# Altium PCB PCB Board.PcbDoc
Units mm, origin at the board's own origin, x right, y up, seen from the top; angles counter-clockwise.
Board outline 87.5 x 46.5 mm, 2 copper layers (Top Layer, Bottom Layer); 24 components, 34 nets, 116 pads, 0 vias.
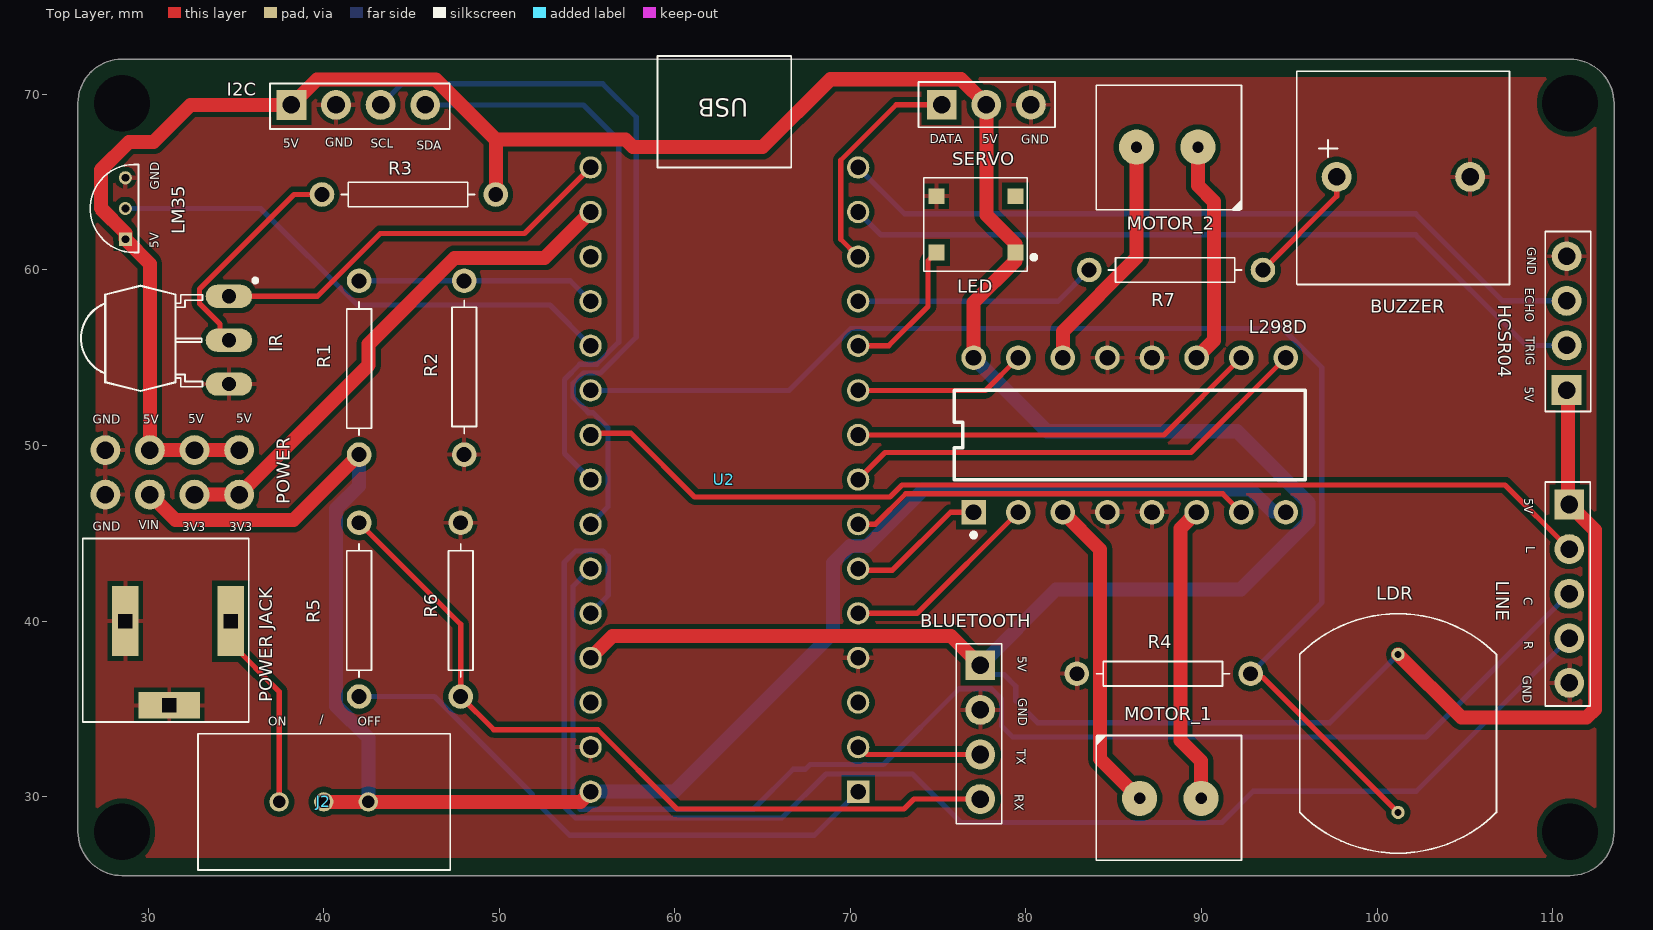
[diagram p0: Top Layer view]
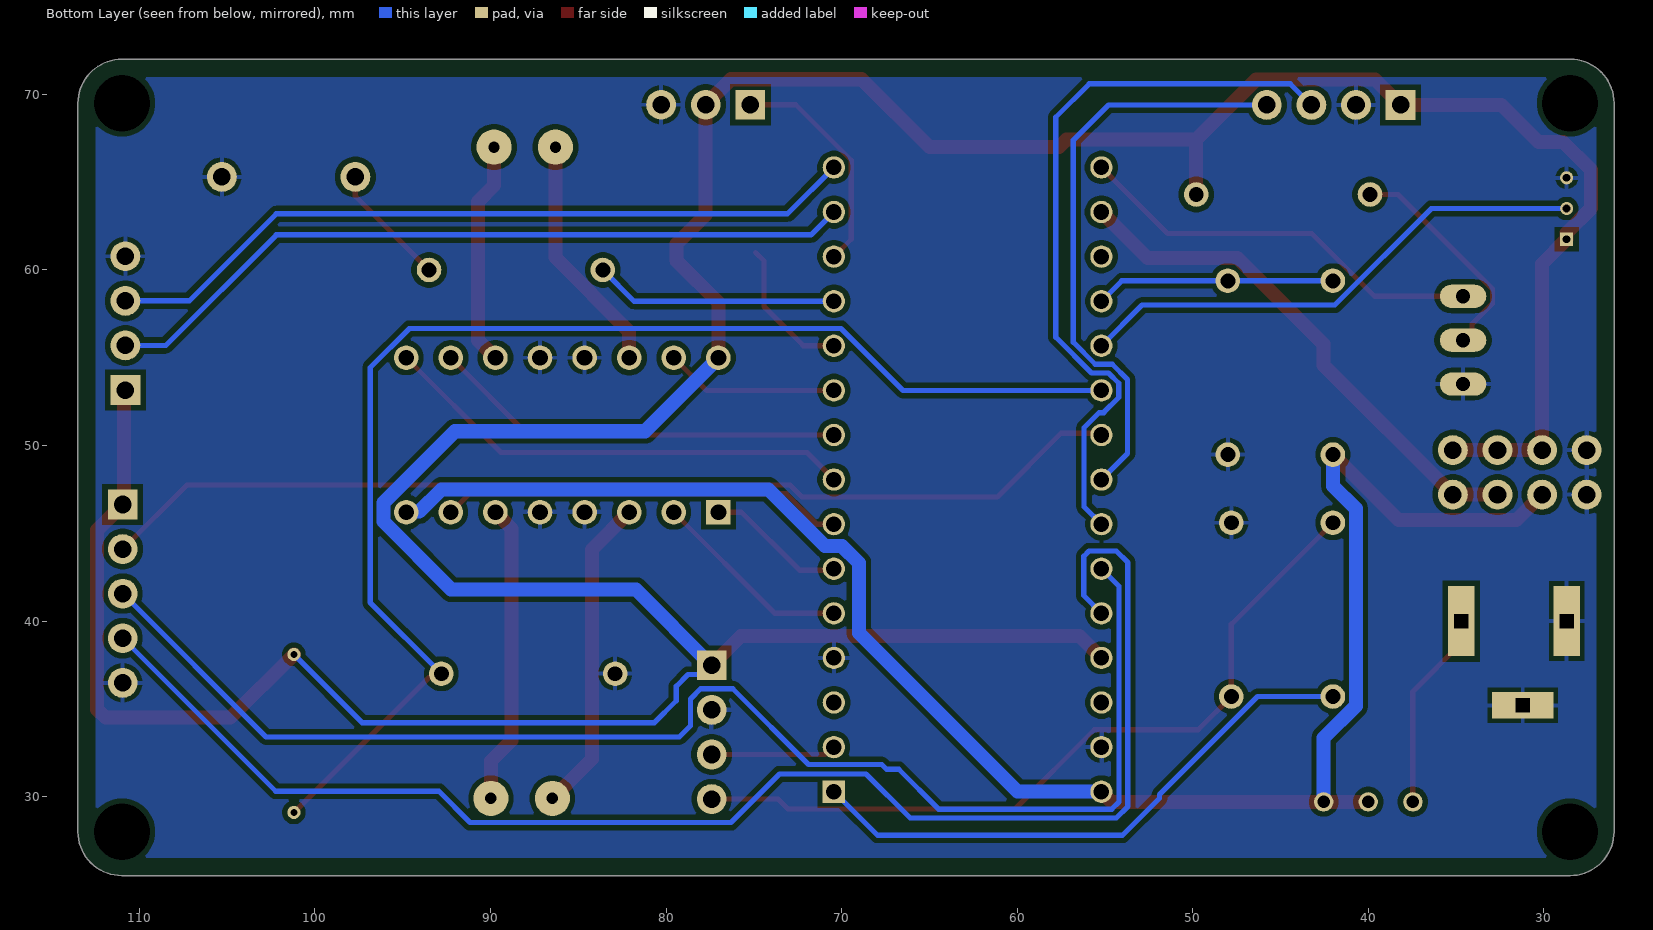
[diagram p1: Bottom Layer view, seen from below]
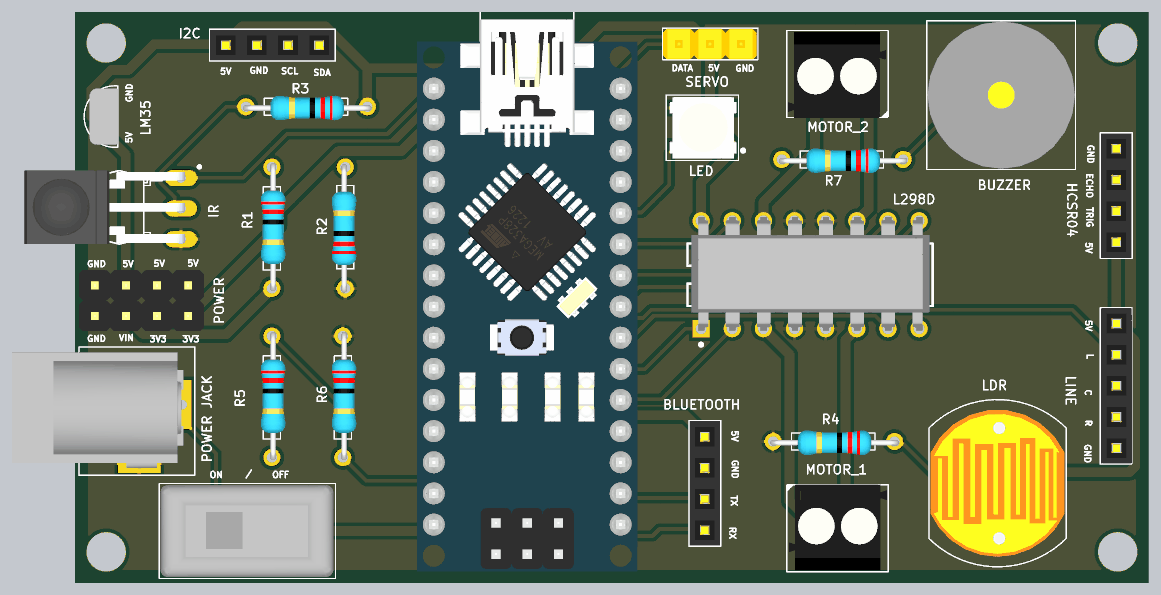
[diagram p2: 3D render of the assembled board from above, using the file's embedded part models]

## Layer stack, top to bottom
Top Solder: solder mask 0.0102, Solder Resist, Dk 3.5
Top Layer: signal copper 0.0356
Dielectric 1: dielectric 0.32, FR-4, Dk 4.8
Bottom Layer: signal copper 0.0356
Bottom Solder: solder mask 0.0102, Solder Resist, Dk 3.5

## Board outline
26,28 ccw(c28.5,28) 28.5,25.5 35,25.5 111,25.5 ccw(c111,28) 113.5,28 113.5,69.5 ccw(c111,69.5) 111,72 35,72 28.5,72 ccw(c28.5,69.5) 26,69.5

## Design rules (kind name [scope] priority, off if disabled: settings)
AcuteAngle [All] p1: minimum=6.00000000000000E+0001 checktracksonly=TRUE
AssemblyTestPointUsage [(not InNetClass('NOTESTPOINTS'))] p1: allowmultiple=TRUE
AssemblyTestPointUsage AssemblyTestPointUsageN [InNetClass('NOTESTPOINTS')] p2: valid=2 allowmultiple=TRUE
AssemblyTestpoint [All] p1: testpointundercomponent=TRUE minsize=0.8 maxsize=2 preferedsize=1 minholesize=0 maxholesize=0.35 preferedholesize=0 testpointgrid=1.27 usegrid=FALSE gridoriginx=87.5 gridoriginy=62.5 gridtolerance=0 allowsidetop=TRUE minspacing=2.54 // Zollner
BoardOutlineClearance BoardCopperOutlineClearance [(OnLayer('Top Layer') OR OnLayer('Bottom Layer') )] p1: gap=0.5 ignorepadtopadclearanceinfootprint=FALSE except(1: Poly-OutlineEdge Region-OutlineEdge; 1.5: SMDPad-OutlineEdge THPad-OutlineEdge)
Clearance PadToViaClearance [IsVia and not IsComponentVia vs IsPad] p1: gap=0.025 ignorepadtopadclearanceinfootprint=TRUE
Clearance "Clearance (FAB)" [All] p2: gap=0.203 ignorepadtopadclearanceinfootprint=TRUE except(0.305: Arc-Poly Track-Poly SMDPad-Poly THPad-Poly Via-Poly Fill-Poly Poly-Poly)
ComponentClearance ComponentClearance_NetTie [((ObjectKind = 'Component') And (ComponentType = 'Net Tie')) Or (Footprint = 'StarPoint') Or (Footprint like 'NetTieVia*')] p1: gap=-3.81 collisioncheckmode=3 verticalgap=-3.81 showdistances=FALSE
ComponentClearance [All] p2: gap=0.254 collisioncheckmode=3 verticalgap=0.254 showdistances=FALSE
DiffPairsRouting [All] p1: maxlimit=1.27 minlimit=0.203 mostfreqgap=0.203 toplayer_minwidth=0.152 toplayer_maxwidth=2.54 toplayer_prefwidth=0.254 bottomlayer_minwidth=0.152 bottomlayer_maxwidth=2.54 bottomlayer_prefwidth=0.254 maxuncoupledlength=12.7
FabricationTestPointUsage [All] p1: valid=2 allowmultiple=FALSE
FabricationTestpoint [All] p1: side=3 testpointundercomponent=TRUE minsize=1.016 maxsize=2.54 preferedsize=1.524 minholesize=0 maxholesize=1.016 preferedholesize=0.813 testpointgrid=0.025 allowsidetop=TRUE allowsidebottom=TRUE usegrid=FALSE gridtolerance=0
HoleSize [All] p1: absolutevalues=TRUE maxlimit=6.35 minlimit=0.3 maxpercent=80.000 minpercent=20.000 // Zollner
HoleToHoleClearance HoleToHoleClearance_NetTieVia [InPadClass('NetTieVias') vs InPadClass('NetTieVias')] p1: gap=0 allowstackedmicrovias=TRUE
HoleToHoleClearance [All] p2: gap=0.25 allowstackedmicrovias=TRUE // Zollner
MinimumAnnularRing [All] p1: minimumring=0.15 // PCBWAY
MinimumSolderMaskSliver [All] p1: minsoldermaskwidth=0.2 // Zollner
PlaneClearance PlaneClearance_1 [All] p1: clearance=0.508
PlaneConnect [All] p1: pad.planeconnectstyle=Relief pad.reliefexpansion=0.508 pad.reliefentries=4 pad.reliefconductorwidth=0.254 pad.reliefairgap=0.254 via.planeconnectstyle=Direct via.reliefexpansion=0.508 via.reliefentries=4 via.reliefconductorwidth=0.254 via.reliefairgap=0.254
PolygonConnect [All] p1: thpad.connectstyle=Relief thpad.reliefconductorwidth=0.254 thpad.reliefentries=4 thpad.polygonreliefangle="90 Angle" thpad.airgapwidth=0.254 smdpad.connectstyle=Relief smdpad.reliefconductorwidth=0.254 smdpad.reliefentries=4 smdpad.polygonreliefangle="90 Angle" smdpad.airgapwidth=0.254 via.connectstyle=Direct via.reliefconductorwidth=0.254 via.reliefentries=4 via.polygonreliefangle="90 Angle" via.airgapwidth=0.254
RoutingVias [All] p1: holewidth=0.3 width=0.7 viastyle="Through Hole" minholewidth=0.3 minwidth=0.6 maxholewidth=1.27 maxwidth=1.27
SMDEntry [not IsTestpoint] p1: side=TRUE corner=TRUE anyangle=FALSE
SMDNeckDown [not IsTestpoint] p1: percent=90.000
SMDToCorner [All] p1: distance=10000
SMDToPlane [All] p1: distance=0
ShortCircuit [All vs not IsBoardCutoutRegion] p1: allowed=FALSE
SilkToSolderMaskClearance [IsPad] p1: minsilkscreentomaskgap=0.127 clearancetoexposedcopper=TRUE
SolderMaskExpansion [All] p1: expansion=0.05 istentingtop=FALSE // Zollner
SolderMaskExpansion SolderMaskExpansionToHoles [All] p2: expansion=0.1 istentingtop=FALSE soldermaskfromhole=TRUE // Zollner
UnRoutedNet [All] p1: checkbadconnections=TRUE
Width [All] p1: maxlimit=12.7 minlimit=0.203 preferedwidth=0.3 minimp=50.000000 maximp=50.000000 favimp=50.000000
16 further rules are at their usual default settings.

## Classes and differential pairs
component class Schematic: J2 R1 R2 R3 R4 R5 R6 R7

## Components (designator, comment, footprint, x,y, rotation, side; value= is the part's Value field where it differs from the comment)
BLUETOOTH "Header 2.54 1x4" "HEADER 2.54 1X4 FEMALE" 78.125,36.98 r270 top (schematic designator J5)
BUZZER "Buzzer 5v" "BUZZER 5V" 97.7,65.3 r0 top (schematic designator B1)
HCSR04 "Header 2.54 1x4" "HEADER 2.54 1X4 FEMALE" 110.075,53.66 r90 top (schematic designator J7)
I2C "Header 2.54 1x4" "HEADER 2.54 1X4 FEMALE" 38.66,70.125 r0 top (schematic designator J10)
J2 "Slide Switch" "SLIDE SWITCH" 40,29.7 r0 top
L298D "L293D" L293D 85.8,50.456 r90 top (schematic designator U1)
LDR "LDR" LDR 101.2,40.1 r270 top (schematic designator U4)
LED "WS2812B RGB" "WS2812B RGB" 79.4,61 r180 top (schematic designator D1)
LINE "Header 2.54 1x5" "HEADER 2.54 1X5 FEMALE" 110.95,46.64 r270 top (schematic designator J8)
LM35 "LM35" LM35 28.7,61.75 r90 top (schematic designator U3)
MOTOR_1 "Klemens" "KLEMENS 1X2 - 3.5MM" 88.075,29.95 r0 top (schematic designator J3)
MOTOR_2 "Klemens" "KLEMENS 1X2 - 3.5MM" 88.2,66.95 r180 top (schematic designator J4)
POWER "2x4 Male Header" "2X4 MALE HEADER" 35.18,47.2 r180 top (schematic designator J9)
"POWER JACK" "Power Jack Female" "POWER JACK FEMALE" 42.7,33 r0 top (schematic designator J1)
R1 "6.8k" "RESISTOR DIP" 42.015,50.481 r90 top
R2 "4.7k" "RESISTOR DIP" 48,58.381 r270 top
R3 "100" "RESISTOR DIP" 40.9,64.3 r0 top
R4 "5k" "RESISTOR DIP" 83.9,37 r0 top
R5 "5k" "RESISTOR DIP" 42.015,36.7 r90 top
R6 "10k" "RESISTOR DIP" 47.8,36.7 r90 top
R7 "1k" "RESISTOR DIP" 84.6,60 r0 top
SERVO "1x3 Male Header" "1X3 MALE HEADER" 77.7,69.3 r0 top (schematic designator J6)
U2 "ARDUINO_NANO" ARDUINO_NANO 45.04,55.68 r180 top
? "IR" "IR REMOTE RECEIVER" 34.6,56 r270 top

## Footprints (in the part's own frame and the unit in brackets; to place one, negate y for a bottom-side part, rotate by r counter-clockwise, add the part's x,y. Pads: shape width x height; smd on the part's side, far side on the other; paste and mask are expansions set on the pad)
"1X3 MALE HEADER" [mm]
  rect 1.7x1.7 hole 1 mask+0.05: 1(-2.499,0.111)
  round 1.7 hole 1 mask+0.05: 2(0.041,0.111) 3(2.581,0.111)
  silkscreen extent -3.82,-1.16 3.95,1.41, body extent -3.77,-1.16 3.85,1.38, height 10.25
"2X4 MALE HEADER" [mm]
  round 1.7 hole 1 mask+0.05: 1(0,0) 2(0,-2.54) 3(2.54,0) 4(2.54,-2.54) 5(5.08,0) 6(5.08,-2.54) 7(7.62,0) 8(7.62,-2.54)
  body extent -1.28,-3.78 8.88,1.2, height 8.84
ARDUINO_NANO [mil]
  rect 50x50 hole 35 mask+2: 1(-1000,1000)
  round 50 hole 35 mask+2: 2(-1000,900) 3(-1000,800) 4(-1000,700) 5(-1000,600) 6(-1000,500) 7(-1000,400) 8(-1000,300) 9(-1000,200) 10(-1000,100) 11(-1000,0) 12(-1000,-100) 13(-1000,-200) 14(-1000,-300) 15(-1000,-400) 16(-400,-400) 17(-400,-300) 18(-400,-200) 19(-400,-100) 20(-400,0) 21(-400,100) 22(-400,200) 23(-400,300) 24(-400,400) 25(-400,500) 26(-400,600) 27(-400,700) 28(-400,800) 29(-400,900) 30(-400,1000)
  silkscreen extent -850,-650 -550,-400, body extent -1055,-619 -346,1153, height 648
"BUZZER 5V" [mm]
  round 1.7 hole 1 mask+0.05: 1(0,0) 2(7.6,0)
  silkscreen extent -2.27,-6.12 9.85,6.02, body extent -2.2,-6.05 9.8,5.95, height 9.5
"HEADER 2.54 1X4 FEMALE" [mm]
  rect 1.7x1.7 hole 1 mask+0.05: 1(-0.5,-0.725)
  round 1.7 hole 1 mask+0.05: 2(2.04,-0.725) 3(4.58,-0.725) 4(7.12,-0.725)
  silkscreen extent -1.73,-2.1 8.52,0.5, body extent -1.68,-2.05 8.48,0.45, height 9.1
"HEADER 2.54 1X5 FEMALE" [mm]
  rect 1.7x1.7 hole 1 mask+0.05: 1(0,0)
  round 1.7 hole 1 mask+0.05: 2(2.54,0) 3(5.08,0) 4(7.62,0) 5(10.16,0)
  silkscreen extent -1.28,-1.37 11.48,1.2, body extent -1.25,-1.3 11.45,1.2, height 9.1
"IR REMOTE RECEIVER" [mil]
  oval 52x104 hole 32: 1(-98.43,0) 2(0,0) 3(98.43,0)
  silkscreen extent -138,-332 114,63, body extent -122,-503 114,13, height 245
"KLEMENS 1X2 - 3.5MM" [mm]
  round 2 hole 0.65: 1(-1.6,-0.05) 2(1.9,-0.05)
  silkscreen extent -4.11,-3.58 4.2,3.58, body extent -3.9,-3.45 4.09,3.55, height 8.9
L293D [mm] "L293D Motor Driver"
  rect 1.4x1.4 hole 0.9 paste-1000 mask+0: 1(-4.256,8.78)
  round 1.4 hole 0.9 paste-1000 mask+0: 2(-4.256,6.24) 3(-4.256,3.7) 4(-4.256,1.16) 5(-4.256,-1.38) 6(-4.256,-3.92) 7(-4.256,-6.46) 8(-4.256,-9) 9(4.544,-9) 10(4.544,-6.46) 11(4.544,-3.92) 12(4.544,-1.38) 13(4.544,1.16) 14(4.544,3.7) 15(4.544,6.24) 16(4.544,8.78)
  silkscreen extent -5.68,-10.11 2.69,9.89, body extent -4.39,-9.86 4.84,9.58, height 6.82
LDR [mm]
  round 0.75 hole 0.4 mask+0.051: 1(2,0) 2(11,0)
  silkscreen extent -0.32,-5.6 13.32,5.6, body extent 0.5,-5.47 12.5,5.45, height 3.7
LM35 [mm] "LM35 Sıcaklık Sensörü"
  rect 0.75x0.75 hole 0.45 mask+0.051: 1(0,0)
  round 0.75 hole 0.45 mask+0.051: 2(1.75,0) 3(3.5,0)
  silkscreen extent -0.76,-0.75 4.26,2, body extent -0.54,-0.75 4.03,1.55, height 3
"POWER JACK FEMALE" [mm]
  rect 3.5x1.5 hole 0.8 square mask+0.051: 1(-11.5,2.2)
  rect 1.5x4 hole 0.8 square mask+0.051: 2(-8,7) 3(-14,7)
  silkscreen extent -16.42,1.25 -6.98,11.7, body extent -21.9,1.85 -7.9,11.25, height 11.5
"RESISTOR DIP" [mm]
  round 1.4 hole 0.85 mask+0.051: 1(-1,0) 2(8.9,0)
  silkscreen extent 0.1,-0.7 7.7,0.7, body extent -1.22,-1.1 9.23,0.9, height 2.5
"SLIDE SWITCH" [mm]
  round 1.1 hole 0.7 mask+0.051: 1(-2.54,0) 2(0,0) 3(2.54,0)
  silkscreen extent -7.16,-3.88 7.21,3.88, body extent -7.07,-3.75 7.05,3.75, height 10.65
"WS2812B RGB" [mm] "WS2812B RGB LED"
  rect 0.9x0.9 smd mask+0.051: 1(0,0) 2(0,-3.2) 3(4.5,-3.2) 4(4.5,0)
  silkscreen extent -1.18,-4.25 5.23,1.07, body extent -0.5,-4.1 4.9,0.9, height 1.5

## Part data
L298D: "L293D Motor Driver"
LED: "WS2812B RGB LED"
LM35: "LM35 Sıcaklık Sensörü"
MOTOR_1 MOTOR_2: library part "Klemens 1x2 3.5mm", "Klemens 1x2 3.5mm"
R1 R2 R3 R4 R5 R6 R7: library part "RESISTOR DIP"
?: library part "IR Remote Receiver"

## Free pads (board coordinates)
  round 1.4 hole 3.2 mask+0.051: 1(28.5,69.5) 2(28.5,28) 3(111,28) 4(111,69.5)

## Nets (pads, with @x,y where several pads share a name; then routed paths per layer and width w, separated by ;. In a path a pad name is that pad's centre, name@x,y a point inside that pad or via, vN(x,y) a via of type N, cw(c..) or ccw(c..) an arc to the next point about the centre after c; other vN are vias at no path point)
3.3V: POWER.1 POWER.3 U2.17 | length 29.9
  Top Layer w0.8: POWER.3 POWER.1 42.562,54.582 42.562,55.787 47.46,60.684 52.584,60.684 U2.17
5V: BLUETOOTH.1 HCSR04.1 I2C.1 L298D.16 LDR.1 LED.1 LINE.1 LM35.1 POWER.2 POWER.4 POWER.6 R3.2 SERVO.2 U2.27 | length 225.9
  Top Layer w0.8: POWER.2 POWER.4 POWER.6 30.1,60.35 LM35.1 28.7,62.117 27.3,63.517 27.3,65.7 28.897,67.297 30.297,67.297 32.4,69.4 I2C.1 39.613,70.853 46.382,70.853 49.8,67.435 ; R3.2 49.8,67.435 ; U2.27 56.438,39.138 75.742,39.138 BLUETOOTH.1 ; L298D.16 77.02,58.145 79.4,60.525 LED.1 79.4,61.475 77.741,63.134 SERVO.2 77.741,69.424 76.301,70.864 68.864,70.864 65,67 57.618,67 57.182,67.435 49.8,67.435 ; LDR.1 104.8,34.5 111.935,34.5 112.403,34.969 112.403,45.187 LINE.1 110.875,46.715 110.875,53.085 HCSR04.1
  Bottom Layer w0.3: BLUETOOTH.1 77.923,36.957 78.74,36.957 79.417,36.28 79.417,35.463 80.68,34.2 97.3,34.2 LDR.1
  Bottom Layer w0.8: L298D.16 81.208,50.812 92.03,50.812 96.103,46.74 96.103,45.66 92.238,41.795 81.715,41.795 BLUETOOTH.1
BT_RX: BLUETOOTH.4 R5.2 R6.1 | length 44.8
  Top Layer w0.3: R5.2 47.8,39.815 R6.1 49.692,33.808 55.609,33.808 60.126,29.292 73.056,29.292 73.624,29.86 BLUETOOTH.4
BT_TX: BLUETOOTH.3 U2.2 | length 7.1
  Top Layer w0.3: U2.2 70.534,32.82 70.954,32.4 BLUETOOTH.3
BUZZER: R7.1 U2.12 | length 13.9
  Bottom Layer w0.3: U2.12 81.82,58.22 R7.1
ECHO: HCSR04.3 U2.15 | length 43.5
  Bottom Layer w0.3: U2.15 73.08,63.2 102.2,63.2 107.16,58.24 HCSR04.3
GND: "POWER JACK.1" "POWER JACK.3" ?.3 BLUETOOTH.2 BUZZER.2 HCSR04.4 I2C.2 L298D.4 L298D.5 L298D.12 L298D.13 LED.3 LINE.5 LM35.3 POWER.7 POWER.8 R2.2 R4.1 R6.2 SERVO.3 U2.4 U2.29
IR_RMT: ?.1 U2.16 | length 23.6
  Top Layer w0.3: ?.1@34.6,58.5 39.645,58.5 43.222,62.077 51.437,62.077 U2.16
LDR: LDR.2 R4.2 U2.21 | length 74.8
  Top Layer w0.3: R4.2 93.01,36.79 93.511,36.79 LDR.2
  Bottom Layer w0.3: U2.21 66.502,53.14 70.031,56.668 94.621,56.668 96.856,54.433 96.856,41.056 R4.2
LED: LED.4 U2.11 | length 8.2
  Top Layer w0.3: U2.11 72.18,55.68 74.425,57.925 74.425,60.525 LED.4
LINE_C: LINE.3 U2.25 | length 78.9
  Bottom Layer w0.3: U2.25 54.204,41.984 54.204,29.693 54.61,29.286 64.476,29.286 66.748,31.558 67.448,31.558 67.716,31.826 71.882,31.826 76.2,36.144 78.029,36.144 78.613,35.56 78.613,34.036 79.248,33.401 102.791,33.401 LINE.3
LINE_L: LINE.2 U2.22 | length 59.2
  Top Layer w0.3: U2.22 55.2,50.7 57.5,50.7 61.128,47.072 72.26,47.072 72.945,47.756 107.294,47.756 LINE.2
LINE_R: LINE.4 U2.26 | length 84.5
  Bottom Layer w0.3: U2.26 56.21,41.45 56.21,43.688 55.905,43.993 54.356,43.993 53.696,43.332 53.696,29.439 54.356,28.778 66.091,28.778 68.605,31.293 73.533,31.293 76.302,28.524 91.161,28.524 92.939,30.302 102.232,30.302 LINE.4
LM35: LM35.2 U2.20 | length 29.7
  Bottom Layer w0.3: LM35.2 36.407,63.5 41.907,58 52.88,58 U2.20
M_ENA: L298D.1 U2.6 | length 8
  Top Layer w0.3: U2.6 70.52,42.9 72.4,42.9 75.7,46.2 L298D.1
M_ENB: L298D.9 U2.8 | length 27.2
  Top Layer w0.3: U2.8 71.98,49.6 89.4,49.6 L298D.9
M_IN1: L298D.2 U2.5 | length 11.5
  Top Layer w0.3: U2.5 73.8,40.44 L298D.2
M_IN2: L298D.7 U2.7 | length 23
  Top Layer w0.3: U2.7 71.42,45.52 73.153,47.253 91.207,47.253 L298D.7
M_IN3: L298D.10 U2.9 | length 23.6
  Top Layer w0.3: U2.9 87.86,50.6 L298D.10
M_IN4: L298D.15 U2.10 | length 9.9
  Top Layer w0.3: U2.10 77.7,53.14 L298D.15
MOTOR_1A: L298D.3 MOTOR_1.1 | length 18.1
  Top Layer w0.8: L298D.3 84.23,44.07 84.23,32.145 MOTOR_1.1
MOTOR_1B: L298D.6 MOTOR_1.2 | length 17.2
  Top Layer w0.8: L298D.6 88.8,45.28 88.8,33.2 89.975,32.025 MOTOR_1.2
MOTOR_2A: L298D.14 MOTOR_2.2 | length 13.7
  Top Layer w0.8: L298D.14 82.1,56.5 86.3,60.7 MOTOR_2.2
MOTOR_2B: L298D.11 MOTOR_2.1 | length 12.8
  Top Layer w0.8: L298D.11 90.7,55.98 90.7,63.9 89.8,64.8 MOTOR_2.1
Net_2: ?.2 R3.1 | length 12.8
  Top Layer w0.3: ?.2 34.561,56 34.09,56.472 34.09,56.917 32.926,58.08 32.926,58.92 38.306,64.3 R3.1
NetB1_1: BUZZER.1 R7.2 | length 7
  Top Layer w0.3: R7.2 97.7,64.2 BUZZER.1
NetJ1_2: "POWER JACK.2" J2.1 | length 11.4
  Top Layer w0.3: 34.7,40 34.7,38.75 37.46,35.99 J2.1
NetR5_1: R5.1 U2.1 | length 32.9
  Bottom Layer w0.3: R5.1 46.311,35.7 51.889,30.121 51.889,29.905 53.994,27.8 67.96,27.8 U2.1
SCL: I2C.3 U2.24 | length 42.5
  Bottom Layer w0.3: I2C.3 44.443,70.603 55.897,70.603 57.8,68.7 57.8,56.171 55.757,54.128 54.791,54.128 54.212,53.549 54.212,52.731 55.072,51.87 55.327,51.87 56.188,51.009 56.188,46.508 U2.24
SDA: I2C.4 U2.23 | length 33.7
  Bottom Layer w0.3: I2C.4 54.8,69.4 56.8,67.4 56.8,55.882 55.549,54.631 54.582,54.631 53.709,53.758 53.709,49.551 U2.23
SERVO: SERVO.1 U2.13 | length 13
  Top Layer w0.3: U2.13 69.452,61.748 69.452,66.249 72.613,69.411 SERVO.1
TRIGGER: HCSR04.2 U2.14 | length 43.5
  Bottom Layer w0.3: U2.14 71.74,62 102.2,62 108.5,55.7 HCSR04.2
V_SENSOR: R1.2 R2.1 U2.19 | length 13.7
  Bottom Layer w0.3: R1.2 R2.1 54.039,59.381 U2.19
VIN: J2.2 J2.3 L298D.8 POWER.5 R1.1 U2.30 | length 100.2
  Top Layer w0.8: POWER.5 31.553,45.747 38.281,45.747 R1.1 ; J2.2 J2.3 54.62,29.7 U2.30
  Bottom Layer w0.8: R1.1 42,49.466 42,47.7 40.712,46.412 40.712,35.16 42.54,33.332 J2.3 ; U2.30 59.981,30.28 69.012,39.311 69.012,43.303 69.991,44.282 70.953,44.282 74.174,47.503 92.8,47.503 94.075,46.228 94.772,46.228 L298D.8
pads on no net: LED.2 U2.3 U2.18 U2.28

## Polygon pours and split planes (outlines as drawn)
GND on Top Layer "GND_L01_P000" (solid, remove dead copper, pour order 0): 14.775,80.025 118.825,80.025 118.825,17.65 119.2,17.275 12.7,17.275 12.7,77.85 14.975,80.125
GND on Bottom Layer "GND_L02_P001" (solid, remove dead copper, pour order 1): 13.9,81.375 15.125,82.6 123.7,82.6 123.7,17.6 121.275,15.175 20.9,15.175 20.9,16.5 9.65,27.75 14.725,32.825 14.725,82.6

## Silkscreen, mask and mechanical layers (free items; w line width, h text height)
Top Overlay:
  text "DATA" at 74.525,67.225 h0.5
  text "5V" at 77.5,67.225 h0.5
  text "GND" at 79.725,67.2 h0.5
  text "GND" at 40.1,67.025 h0.5
  text "SCL" at 42.675,66.975 h0.5
  text "5V" at 37.7,66.95 h0.5
  text "SDA" at 45.3,66.85 h0.5
  text "GND" at 30.625,64.575 h0.5 r90
  text "GND" at 108.55,61.3 h0.5 r270
  text "5V" at 30.6,61.25 h0.5 r90
  text "ECHO" at 108.45,58.975 h0.5 r270
  text "TRIG" at 108.475,56.2 h0.5 r270
  text "5V" at 108.4,53.35 h0.5 r270
  text "5V" at 35.025,51.3 h0.5
  text "5V" at 32.275,51.275 h0.5
  text "GND" at 26.85,51.25 h0.5
  text "5V" at 29.725,51.25 h0.5
  text "5V" at 108.375,47 h0.5 r270
  text "VIN" at 29.45,45.225 h0.5
  text "GND" at 26.85,45.15 h0.5
  text "3V3" at 31.95,45.125 h0.5
  text "3V3" at 34.625,45.125 h0.5
  text "L" at 108.5,44.25 h0.5 r270
  text "C" at 108.35,41.35 h0.5 r270
  text "R" at 108.375,38.85 h0.5 r270
  text "5V" at 79.525,38 h0.5 r270
  text "GND" at 108.3,36.875 h0.5 r270
  text "GND" at 79.55,35.6 h0.5 r270
  text "/" at 39.775,34.146 h0.5
  text "ON" at 36.85,34.05 h0.5
  text "OFF" at 41.95,34.05 h0.5
  text "TX" at 79.475,32.7 h0.5 r270
  text "RX" at 79.35,30.125 h0.5 r270
Mechanical 1:
  the board outline again, w0.1

## Text inside footprints (layer, text, board x,y; h text height)
U2: Top Overlay "USB" at 64.194,69.754 h1.02 r180